# Allegro board REF_038HX-888005K4R-A100.brd (continued)
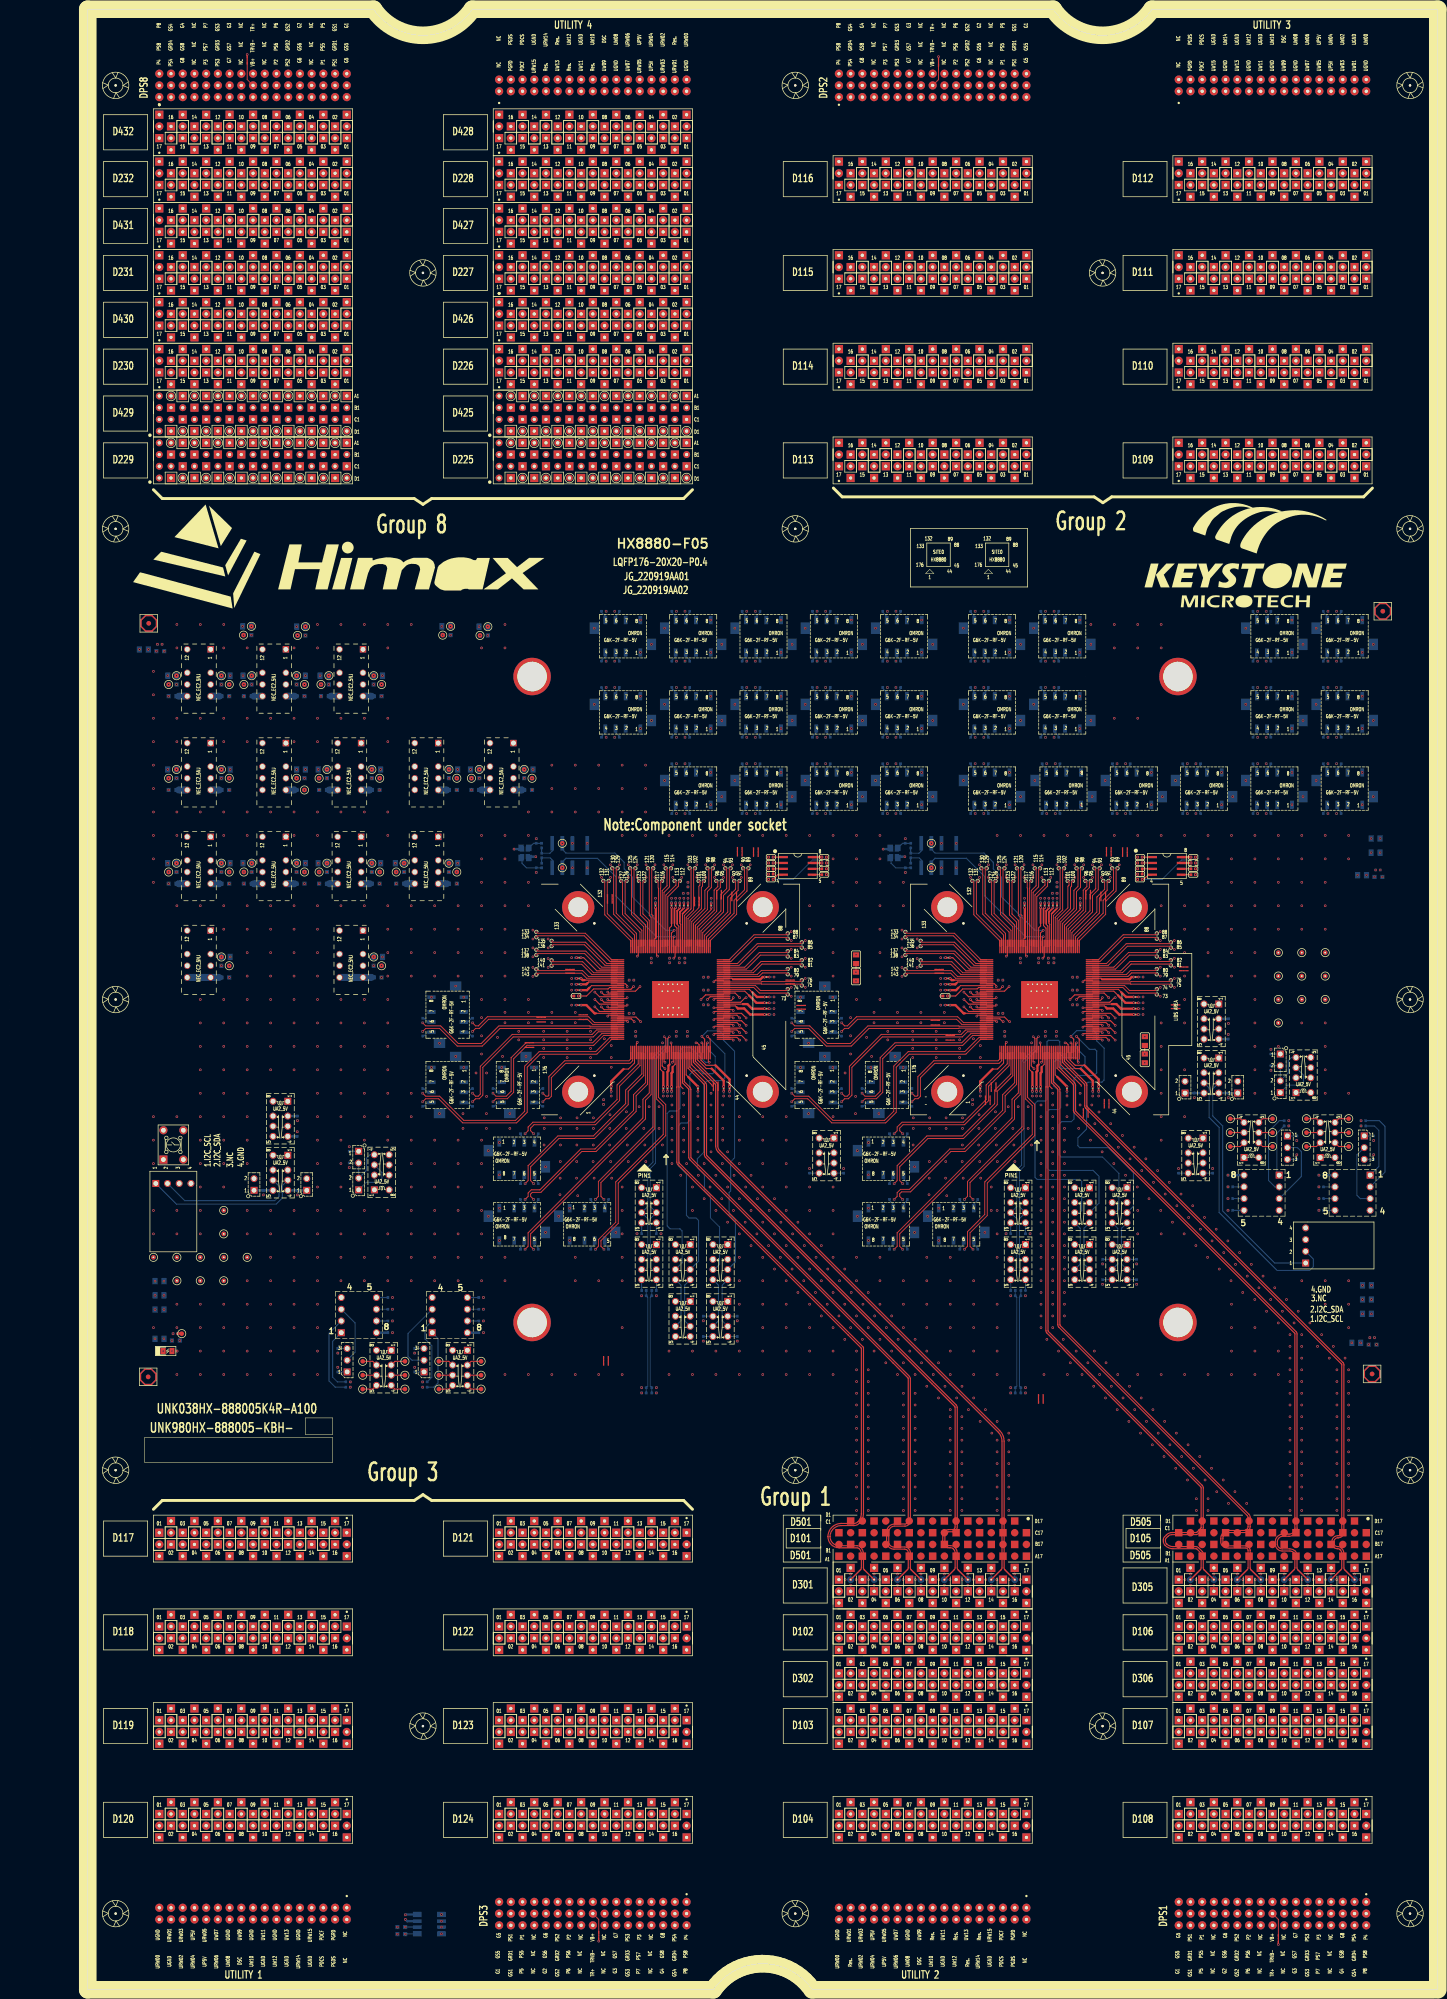
[diagram p0: board, top side]
## Routing (per net, layer and track width the routed paths; a pad name or vN(x,y) marks a point on that pad's centre or on a via; arc(x,y) is an arc through that point) (continued)
  L22_SIGNAL w0.135: 212.78,240.7 212.78,244.26 220.13,251.61 246.09,251.61 246.87,252.4 246.87,259.7 248.84,261.66 248.84,276.78 247.73,277.89 244.57,277.89 243.18,276.5 243.18,254.66 242.05,253.52 239.6,253.52 239.08,254.04 239.08,254.67
  L22_SIGNAL w0.145: v2(238.35,254.94) 238.81,254.94 239.08,254.67 ; v2(212.41,240.33) 212.78,240.7
D11012: length 268.7
  TOP w0.203: v2(180.55,226.21) 180.84,226.5 187.66,226.5 192.13,222.03 SITE2.136
  L03_SIGNAL w0.135: 251.88,348.65 251.88,345.43 249.56,343.1 233.73,343.1 227.22,336.6 227.22,323.39 203.59,299.76 203.59,286.83 193.09,276.33 193.09,271.72
  L03_SIGNAL w0.145: 251.88,348.65 251.19,349.35 250.36,349.35 D110.12 ; 193.09,271.72 192.83,271.45 v2(192.37,271.45)
  L22_SIGNAL w0.135: 193.09,271.18 193.09,270.24 193.96,269.38 196.6,269.38 198.45,271.24 198.45,303.35 199.29,304.19 202.51,304.19 203.46,303.24 203.46,272.9 196.05,265.5 196.05,254.29 189.82,248.05 189.82,246.66 189.29,246.14 187.01,246.14 186.15,245.28 186.15,240.78 185.71,240.35 183.88,240.35 178.27,234.74 178.27,227.4 179.09,226.57 180.18,226.57
  L22_SIGNAL w0.145: 193.09,271.18 192.83,271.45 v2(192.37,271.45) ; 180.18,226.57 v2(180.55,226.21)
D11013: length 268.7
  TOP w0.203: v2(211.63,243.07) 211.33,242.77 211.33,234.05 209.72,232.44 SITE2.102
  L05_SIGNAL w0.135: 244.67,355.04 244.67,356.44 242.6,358.5 233.37,358.5 228.93,354.06 228.93,312.14 244.34,296.72 244.34,267.22 241.44,264.31 239.81,264.31 239.49,264.64 239.49,265.48
  L05_SIGNAL w0.145: D110.13 244.67,355.04 ; v2(240.21,265.75) 239.76,265.75 239.49,265.48
  L20_SIGNAL w0.135: 239.49,265.48 239.49,264.58 239.62,264.44 241.19,264.44 243.95,267.2 243.95,300.26 244.88,301.19 246.98,301.19 247.78,300.39 247.78,267.47 240.83,260.53 229.92,260.53 225.55,256.15 221.21,256.15 211.26,246.2 211.26,245.28 211.39,245.14 211.64,245.14 211.78,245.01 211.78,244.74 211.64,244.6 211.39,244.6 211.26,244.47 211.26,243.43
  L20_SIGNAL w0.145: 239.49,265.48 239.76,265.75 v2(240.21,265.75) ; v2(211.63,243.07) 211.26,243.43
D11014: length 268.7
  TOP w0.203: v2(177.25,225.42) 177.55,225.12 187.95,225.12 191.44,221.63 SITE2.137
  L03_SIGNAL w0.135: 242.18,348.59 242.18,346.74 240.48,345.04 232.92,345.04 225.28,337.4 225.28,324.72 201.49,300.93 201.49,288.83 198.17,285.51 194.96,285.51 193.5,284.05 193.5,282.53
  L03_SIGNAL w0.145: 193.5,282.53 193.77,282.26 v2(194.23,282.26) ; 242.18,348.59 D110.14
  L20_SIGNAL w0.135: 193.5,281.99 193.5,276.07 194.09,275.48 195.87,275.48 196.39,276.01 196.39,291.08 197.72,292.41 200.27,292.41 202.05,290.63 202.05,277.54 197.23,272.72 192.02,272.72 180.48,261.18 180.48,259.86 181.05,259.29 182.12,259.29 192.32,269.49 195.32,269.49 196.29,268.52 196.29,264.92 180.64,249.26 180.64,240.89 173.36,233.61 173.36,228.57 173.49,228.43 173.73,228.43 173.86,228.3 173.86,228.03 173.73,227.89 173.49,227.89 173.36,227.76 173.36,227.49 173.49,227.36 173.73,227.36 173.86,227.22 173.86,226.95 173.73,226.82 173.49,226.82 173.36,226.68 173.36,225.93 174.24,225.05 176.88,225.05
  L20_SIGNAL w0.145: v2(177.25,225.42) 176.88,225.05 ; 193.5,281.99 193.77,282.26 v2(194.23,282.26)
D11015: length 268.7
  TOP w0.203: v2(210.48,243.07) 210.78,242.77 210.78,234.27 209.32,232.81 SITE2.103
  L05_SIGNAL w0.135: 244.26,354.92 244.26,356.27 242.43,358.09 233.54,358.09 229.34,353.89 229.34,312.31 244.75,296.89 244.75,267.05 241.61,263.9 239.64,263.9 239.08,264.47 239.08,265.48
  L05_SIGNAL w0.145: v2(238.35,265.75) 238.81,265.75 239.08,265.48 ; D110.15 242.76,354.25 243.59,354.25 244.26,354.92
  L20_SIGNAL w0.135: 239.08,265.48 239.08,264.41 239.45,264.03 241.36,264.03 244.36,267.03 244.36,300.09 245.05,300.78 246.81,300.78 247.37,300.22 247.37,267.64 240.66,260.94 229.75,260.94 225.38,256.56 221.04,256.56 210.85,246.37 210.85,243.43
  L20_SIGNAL w0.145: v2(210.48,243.07) 210.85,243.43 ; 239.08,265.48 238.81,265.75 v2(238.35,265.75)
D11016: length 268.7
  TOP w0.203: SITE2.138 191.06,221.23 187.72,224.57 177.55,224.57 v2(177.25,224.28)
  L03_SIGNAL w0.135: 193.09,282.53 193.09,284.22 194.79,285.92 198,285.92 201.08,289 201.08,301.1 224.87,324.89 224.87,337.57 232.75,345.45 240.31,345.45 241.77,346.91 241.77,348.53
  L03_SIGNAL w0.145: D110.16 240.2,349.35 240.95,349.35 241.77,348.53 ; v2(192.37,282.26) 192.83,282.26 193.09,282.53
  L20_SIGNAL w0.135: 193.09,281.99 193.09,275.9 193.92,275.07 196.04,275.07 196.8,275.84 196.8,290.91 197.89,292 200.11,292 201.65,290.46 201.65,277.71 197.06,273.13 191.85,273.13 180.07,261.35 180.07,259.69 180.88,258.88 182.29,258.88 192.49,269.08 195.15,269.08 195.88,268.35 195.88,265.09 180.23,249.43 180.23,241.05 172.95,233.78 172.95,225.76 174.07,224.64 176.88,224.64
  L20_SIGNAL w0.145: v2(192.37,282.26) 192.83,282.26 193.09,281.99 ; v2(177.25,224.28) 176.88,224.64
D11101: length 268.7
  TOP w0.203: SITE2.129 198.92,228.97 194.55,233.34 194.55,242.77 v2(194.84,243.07)
  L05_SIGNAL w0.135: 275.62,374.89 275.62,381.23 271.06,385.79 232.01,385.79 225.63,379.4 225.63,370.02 215.92,360.31 215.92,315.27 203.29,302.63 203.29,283.44 206.01,280.73 206.01,265.55 207.17,264.39 208.47,264.39 209.01,264.93 209.01,265.48
  L05_SIGNAL w0.145: D111.01 275.62,374.89 ; 209.01,265.48 209.28,265.75 v2(209.73,265.75)
  L20_SIGNAL w0.135: 209.01,265.48 209.01,264.93 208.18,264.1 206.76,264.1 206.11,264.74 206.11,266.48 207.71,268.08 210.33,268.08 211.68,269.43 211.68,272.09 210.37,273.41 207.32,273.41 205.99,272.08 205.99,269.39 203.97,267.37 203.97,263.96 198.65,258.64 198.65,253.81 194.48,249.64 194.48,245.9 194.61,245.77 194.86,245.77 195,245.64 195,245.37 194.86,245.23 194.61,245.23 194.48,245.1 194.48,243.43
  L20_SIGNAL w0.145: v2(209.73,265.75) 209.28,265.75 209.01,265.48 ; v2(194.84,243.07) 194.48,243.43
D11102: length 268.7
  TOP w0.203: v2(234.78,222.02) 234.48,222.32 226.16,222.32 224.27,220.43 SITE2.81
  L03_SIGNAL w0.135: 272.99,369.24 272.99,367.47 273.76,366.7 282.8,366.7 289.05,360.44 289.05,326 280.24,317.19 280.24,296.83 274.42,291.02 274.42,288.18 269.97,283.72 269.97,282.53
  L03_SIGNAL w0.145: 269.97,282.53 270.24,282.26 v2(270.69,282.26) ; 272.99,369.24 D111.02
  L20_SIGNAL w0.135: 235.15,222.39 236.54,222.39 236.68,222.25 236.68,221.98 236.81,221.84 237.08,221.84 237.22,221.98 237.22,222.25 237.35,222.39 237.62,222.39 237.76,222.25 237.76,221.98 237.89,221.84 238.16,221.84 238.29,221.98 238.29,222.25 238.43,222.39 238.7,222.39 238.83,222.25 238.83,221.98 238.97,221.84 239.24,221.84 239.37,221.98 239.37,222.25 239.51,222.39 279.85,222.39 282.28,224.82 282.28,269.02 281.09,270.21 278.69,270.21 277.51,269.03 277.51,262.73 274.61,259.83 270.1,259.83 267.24,262.68 267.24,274.82 269.97,277.55 269.97,281.99
  L20_SIGNAL w0.145: v2(270.69,282.26) 270.24,282.26 269.97,281.99 ; v2(234.78,222.02) 235.15,222.39
D11103: length 268.7
  TOP w0.203: v2(193.7,243.07) 194,242.77 194,233.12 198.52,228.6 SITE2.130
  L05_SIGNAL w0.135: 275.21,375.08 275.21,381.06 270.89,385.38 232.18,385.38 226.04,379.24 226.04,369.85 216.33,360.14 216.33,315.1 203.7,302.46 203.7,283.61 206.42,280.9 206.42,265.72 207.34,264.8 208.3,264.8 208.6,265.1 208.6,265.48
  L05_SIGNAL w0.145: D111.03 271.57,373.38 271.32,373.62 271.32,374.26 271.74,374.67 274.81,374.67 275.21,375.08 ; 208.6,265.48 208.33,265.75 v2(207.87,265.75)
  L20_SIGNAL w0.135: 194.07,243.43 194.07,249.81 198.24,253.98 198.24,258.81 203.56,264.13 203.56,267.54 205.59,269.56 205.59,272.25 207.15,273.82 210.54,273.82 212.09,272.26 212.09,269.26 210.5,267.67 207.88,267.67 206.52,266.31 206.52,264.91 206.93,264.51 208.01,264.51 208.6,265.1 208.6,265.48
  L20_SIGNAL w0.145: v2(207.87,265.75) 208.33,265.75 208.6,265.48 ; v2(193.7,243.07) 194.07,243.43
D11104: length 268.7
  TOP w0.203: SITE2.82 223.9,220.83 225.93,222.87 234.48,222.87 v2(234.78,223.16)
  L03_SIGNAL w0.135: 272.58,369.25 272.58,367.3 273.59,366.29 282.63,366.29 288.65,360.27 288.65,326.17 279.83,317.36 279.83,297 274.01,291.19 274.01,288.35 269.56,283.89 269.56,282.53
  L03_SIGNAL w0.145: D111.04 269.31,370.84 268.93,370.47 268.93,369.94 269.31,369.56 272.27,369.56 272.58,369.25 ; 269.56,282.53 269.29,282.26 v2(268.83,282.26)
  L20_SIGNAL w0.135: 235.15,222.8 279.68,222.8 281.87,224.99 281.87,268.85 280.92,269.8 278.86,269.8 277.92,268.87 277.92,262.56 274.78,259.42 269.93,259.42 266.84,262.52 266.84,274.99 269.56,277.71 269.56,281.99
  L20_SIGNAL w0.145: v2(268.83,282.26) 269.29,282.26 269.56,281.99 ; v2(234.78,223.16) 235.15,222.8
D11105: length 268.7
  TOP w0.203: SITE2.126 200.12,229.62 196.48,233.26 196.48,240.03 v2(196.77,240.33)
  L05_SIGNAL w0.135: 209.01,254.67 209.01,254.29 209.46,253.84 210.53,253.84 212.59,255.9 212.59,307.21 218.27,312.89 218.27,359.34 227.98,369.05 227.98,378.43 232.99,383.44 261.89,383.44 264.95,380.38 264.95,375.4
  L05_SIGNAL w0.145: D111.05 264.95,375.4 ; 209.01,254.67 209.28,254.94 v2(209.73,254.94)
  L22_SIGNAL w0.135: 209.01,254.67 209.01,254.12 207.98,253.09 206.47,253.09 205.97,253.6 205.97,256.06 208.33,258.42 208.33,262.49 216.47,270.62 216.47,270.9 215.89,271.48 215.36,271.48 211.22,267.34 207.72,267.34 204.23,263.84 204.23,254.02 196.41,246.21 196.41,242.69 196.54,242.56 196.79,242.56 196.92,242.43 196.92,242.16 196.79,242.02 196.54,242.02 196.41,241.89 196.41,240.7
  L22_SIGNAL w0.145: v2(196.77,240.33) 196.41,240.7 ; v2(209.73,254.94) 209.28,254.94 209.01,254.67
D11106: length 268.7
  TOP w0.203: SITE2.83 222.78,221.23 225.8,224.25 231.44,224.25 v2(231.73,223.95)
  L03_SIGNAL w0.135: 269.97,288.23 269.97,292.39 273.36,295.78 273.36,314.87 286.21,327.72 286.21,359.26 281.79,363.67 264.01,363.67 262.83,364.86 262.83,369.24
  L03_SIGNAL w0.145: 262.83,369.24 D111.06 ; 269.97,288.23 270.24,287.96 v2(270.69,287.96)
  L22_SIGNAL w0.135: 232.1,224.32 236.11,224.32 238.25,226.45 238.44,226.45 238.77,226.12 238.96,226.12 239.15,226.31 239.15,226.5 238.82,226.83 238.82,227.02 239.01,227.21 239.2,227.21 239.53,226.88 239.72,226.88 239.91,227.07 239.91,227.26 239.58,227.59 239.58,227.78 244.24,232.44 258.23,232.44 259.1,231.56 259.1,214.05 260.05,213.1 269.44,213.1 270.69,214.35 270.69,240.7 264.63,246.76 264.63,272 267.44,274.81 267.44,283.57 269.97,286.09 269.97,287.69
  L22_SIGNAL w0.145: v2(231.73,223.95) 232.1,224.32 ; v2(270.69,287.96) 270.24,287.96 269.97,287.69
D11107: length 268.7
  TOP w0.203: SITE2.127 199.72,229.25 195.93,233.04 195.93,240.03 v2(195.63,240.33)
  L05_SIGNAL w0.135: 264.54,375.36 264.54,380.21 261.72,383.03 233.16,383.03 228.39,378.26 228.39,368.88 218.68,359.17 218.68,312.72 212.99,307.04 212.99,255.73 210.7,253.43 209.29,253.43 208.6,254.12 208.6,254.67
  L05_SIGNAL w0.145: D111.07 263.11,374.6 263.79,374.6 264.54,375.36 ; 208.6,254.67 208.33,254.94 v2(207.87,254.94)
  L22_SIGNAL w0.135: 196,240.7 196,246.38 203.82,254.19 203.82,264.01 207.55,267.75 211.05,267.75 215.19,271.89 216.06,271.89 216.88,271.07 216.88,270.45 208.74,262.32 208.74,258.25 206.37,255.89 206.37,253.77 206.64,253.5 207.81,253.5 208.6,254.29 208.6,254.67
  L22_SIGNAL w0.145: v2(195.63,240.33) 196,240.7 ; v2(207.87,254.94) 208.33,254.94 208.6,254.67
D11108: length 268.7
  TOP w0.203: v2(231.73,225.09) 231.44,224.79 225.57,224.79 222.41,221.63 SITE2.84
  L03_SIGNAL w0.135: 269.56,288.23 269.56,292.56 272.95,295.95 272.95,315.04 285.8,327.89 285.8,359.09 281.63,363.27 263.84,363.27 262.42,364.69 262.42,369.25
  L03_SIGNAL w0.145: 262.42,369.25 262.19,369.49 259.22,369.49 258.77,369.93 258.77,370.47 259.15,370.84 D111.08 ; 269.56,288.23 269.29,287.96 v2(268.83,287.96)
  L22_SIGNAL w0.135: 269.56,287.69 269.56,286.26 267.03,283.73 267.03,274.98 264.34,272.29 264.22,272.17 264.22,246.59 265.04,245.76 270.28,240.53 270.28,214.52 269.27,213.51 260.22,213.51 259.51,214.22 259.51,231.73 258.4,232.85 244.07,232.85 235.94,224.72 232.1,224.72
  L22_SIGNAL w0.145: 269.56,287.69 269.29,287.96 v2(268.83,287.96) ; v2(231.73,225.09) 232.1,224.72
D11109: length 268.7
  TOP w0.203: v2(208.35,240.33) 208.05,240.03 208.05,239.22 205.72,236.89 SITE2.112
  L05_SIGNAL w0.135: 255.32,374.87 255.32,378.07 252.48,380.91 234.04,380.91 230.51,377.38 230.51,368 220.81,358.29 220.81,306.48 219.57,305.24 219.57,255.22 221.34,253.45 223.59,253.45 224.25,254.1 224.25,254.67
  L05_SIGNAL w0.145: v2(224.97,254.94) 224.52,254.94 224.25,254.67 ; D111.09 255.32,374.87
  L22_SIGNAL w0.135: 207.98,240.7 207.98,242.17 208.12,242.3 208.36,242.3 208.5,242.44 208.5,242.71 208.36,242.84 208.12,242.84 207.98,242.97 207.98,243.74 217.8,253.56 217.8,256.58 221.19,259.98 231.97,259.98 233.39,261.39 233.39,266.19 234.07,266.88 236.17,266.88 236.74,266.31 236.74,264.12 240.21,260.65 240.21,257.71 239.79,257.29 233.54,257.29 232.06,255.8 227.2,255.8 225.99,257.02 221.24,257.02 220.61,256.38 220.61,253.86 221.23,253.24 223.51,253.24 224.25,253.98 224.25,254.67
  L22_SIGNAL w0.145: v2(208.35,240.33) 207.98,240.7 ; 224.25,254.67 224.52,254.94 v2(224.97,254.94)
D11110: length 268.7
  TOP w0.203: SITE2.85 221.2,222.03 225.35,226.18 234.48,226.18 v2(234.78,225.88)
  L03_SIGNAL w0.135: 252.67,369.24 252.67,361.76 253.88,360.55 280.08,360.55 282.78,357.84 282.78,328.21 269.97,315.4 269.97,299.04
  L03_SIGNAL w0.145: 269.97,299.04 270.24,298.77 v2(270.69,298.77) ; 252.67,369.24 D111.10
  L20_SIGNAL w0.135: 235.15,226.25 238.23,226.25 238.37,226.11 238.37,225.83 238.5,225.7 238.77,225.7 238.9,225.83 238.9,226.11 239.04,226.25 239.31,226.25 239.44,226.11 239.44,225.83 239.58,225.7 239.85,225.7 239.98,225.83 239.98,226.11 240.12,226.25 240.39,226.25 240.52,226.11 240.52,225.83 240.65,225.7 240.92,225.7 241.06,225.83 241.06,226.11 241.19,226.25 276.88,226.25 278.72,228.09 278.72,235.76 273.86,240.62 273.86,243.07 274.83,244.04 274.83,254.54 272.51,256.86 267.79,256.86 264.47,260.18 264.47,283.34 265.48,284.35 275.27,284.35 277.81,286.89 277.81,290.94 274.96,293.8 273.14,293.8 269.97,296.97 269.97,298.5
  L20_SIGNAL w0.145: 269.97,298.5 270.24,298.77 v2(270.69,298.77) ; v2(234.78,225.88) 235.15,226.25
D11111: length 268.7
  TOP w0.203: v2(207.21,240.33) 207.5,240.03 207.5,239.45 205.32,237.26 SITE2.113
  L05_SIGNAL w0.135: 223.84,254.67 223.84,254.27 223.42,253.86 221.51,253.86 219.98,255.39 219.98,305.07 221.22,306.31 221.22,358.12 230.92,367.83 230.92,377.21 234.21,380.5 252.31,380.5 254.91,377.9 254.91,374.93
  L05_SIGNAL w0.145: v2(223.11,254.94) 223.57,254.94 223.84,254.67 ; 254.91,374.93 254.58,374.6 251.34,374.6 251.01,374.27 251.01,373.59 251.22,373.38 D111.11
  L22_SIGNAL w0.135: 223.84,254.67 223.84,254.15 223.34,253.65 221.4,253.65 221.01,254.03 221.01,256.21 221.41,256.61 225.82,256.61 227.03,255.39 232.23,255.39 233.71,256.88 239.96,256.88 240.62,257.55 240.62,260.82 237.15,264.29 237.15,266.48 236.34,267.29 233.9,267.29 232.98,266.36 232.98,261.56 231.8,260.38 221.02,260.38 217.39,256.75 217.39,253.73 207.57,243.91 207.57,240.7
  L22_SIGNAL w0.145: v2(223.11,254.94) 223.57,254.94 223.84,254.67 ; v2(207.21,240.33) 207.57,240.7
D11112: length 268.7
  TOP w0.203: v2(234.78,227.02) 234.48,226.72 225.12,226.72 220.82,222.43 SITE2.86
  L03_SIGNAL w0.135: 252.26,369.25 252.26,361.59 253.71,360.14 279.91,360.14 282.37,357.67 282.37,328.38 269.56,315.57 269.56,299.04
  L03_SIGNAL w0.145: 252.26,369.25 252.03,369.49 249.02,369.49 248.63,369.88 248.63,370.47 249,370.84 D111.12 ; v2(268.83,298.77) 269.29,298.77 269.56,299.04
  L20_SIGNAL w0.135: 269.56,298.5 269.56,296.8 272.97,293.39 274.79,293.39 277.41,290.78 277.41,287.06 275.1,284.76 265.31,284.76 264.06,283.51 264.06,260.01 267.62,256.46 272.34,256.46 274.42,254.37 274.42,244.21 273.45,243.24 273.45,240.45 278.31,235.59 278.31,228.26 276.71,226.65 235.15,226.65
  L20_SIGNAL w0.145: v2(234.78,227.02) 235.15,226.65 ; 269.56,298.5 269.29,298.77 v2(268.83,298.77)
D11113: length 268.7
  TOP w0.203: SITE2.114 204.92,237.85 206.12,239.06 206.12,242.77 v2(206.42,243.07)
  L05_SIGNAL w0.135: 224.25,265.48 224.25,264.68 224.77,264.16 225.76,264.16 226.07,264.47 226.07,270.34 224.75,271.66 224.75,296.91 223.43,298.23 223.43,357.2 233.14,366.91 233.14,376.29 235.13,378.28 243,378.28 244.69,376.59 244.69,375.34
  L05_SIGNAL w0.145: 224.25,265.48 224.52,265.75 v2(224.97,265.75) ; D111.13 244.69,375.34
  L20_SIGNAL w0.135: 206.05,243.43 206.05,244.35 206.19,244.48 206.43,244.48 206.57,244.62 206.57,244.89 206.43,245.02 206.19,245.02 206.05,245.16 206.05,245.88 213.82,253.65 213.82,258.29 215.45,259.92 225.03,259.92 232.71,267.6 240.08,267.6 240.9,268.42 240.9,269.94 240.11,270.73 229.1,270.73 228.64,271.19 228.64,272.61 229.16,273.13 240.69,273.13 241.5,273.95 241.5,275.79 240.66,276.63 227.02,276.63 226.18,275.8 226.18,264.36 225.82,263.99 224.45,263.99 224.25,264.19 224.25,265.48
  L20_SIGNAL w0.145: 224.25,265.48 224.52,265.75 v2(224.97,265.75) ; v2(206.42,243.07) 206.05,243.43
D11114: length 268.7
  TOP w0.203: v2(223.2,243.07) 222.91,242.77 222.91,238.16 220.65,235.9 220.65,233.11 214.92,227.38 SITE2.89
  L03_SIGNAL w0.135: 254.73,299.04 254.73,304.5 279.45,329.22 279.45,356.46 278.34,357.57 246,357.57 242.13,361.44 242.13,368.86
  L03_SIGNAL w0.145: v2(255.45,298.77) 255,298.77 254.73,299.04 ; 242.13,368.86 D111.14
  L20_SIGNAL w0.135: 254.73,298.5 254.73,295.5 259.12,291.11 259.12,256.1 263.33,251.88 268.5,251.88 269.47,250.91 269.47,234.31 268.24,233.08 243.12,233.08 229.45,246.74 225.02,246.74 224.06,245.79 224.06,245.6 224.23,245.42 224.23,245.23 224.04,245.04 223.85,245.04 223.68,245.22 223.49,245.22 222.84,244.57 222.84,243.43
  L20_SIGNAL w0.145: v2(223.2,243.07) 222.84,243.43 ; v2(255.45,298.77) 255,298.77 254.73,298.5
D11115: length 268.7
  TOP w0.203: SITE2.115 204.52,238.23 205.57,239.29 205.57,242.77 v2(205.28,243.07)
  L05_SIGNAL w0.135: 244.28,375.3 244.28,376.42 242.83,377.87 235.29,377.87 233.55,376.12 233.55,366.74 223.84,357.03 223.84,298.4 225.16,297.08 225.16,271.83 226.48,270.51 226.48,264.3 225.93,263.75 224.6,263.75 223.84,264.51 223.84,265.48
  L05_SIGNAL w0.145: 244.28,375.3 243.6,374.61 242.8,374.61 D111.15 ; v2(223.11,265.75) 223.57,265.75 223.84,265.48
  L20_SIGNAL w0.135: 223.84,265.48 223.84,264.02 224.28,263.58 225.99,263.58 226.59,264.19 226.59,275.63 227.19,276.23 240.49,276.23 241.1,275.62 241.1,274.11 240.52,273.54 228.99,273.54 228.23,272.78 228.23,271.02 228.93,270.32 239.94,270.32 240.49,269.77 240.49,268.59 239.91,268.01 232.54,268.01 224.86,260.33 215.28,260.33 213.42,258.46 213.42,253.82 205.64,246.05 205.64,243.43
  L20_SIGNAL w0.145: v2(205.28,243.07) 205.64,243.43 ; 223.84,265.48 223.57,265.75 v2(223.11,265.75)
D11116: length 268.7
  TOP w0.203: SITE2.90 214.52,227.76 220.1,233.34 220.1,236.13 222.36,238.39 222.36,242.77 v2(222.06,243.07)
  L03_SIGNAL w0.135: 241.72,368.97 241.72,361.27 245.83,357.16 278.17,357.16 279.04,356.3 279.04,329.39 254.32,304.67 254.32,299.04
  L03_SIGNAL w0.145: v2(253.59,298.77) 254.05,298.77 254.32,299.04 ; 241.72,368.97 241.21,369.49 240.38,369.49 D111.16
  L20_SIGNAL w0.135: 222.43,243.43 222.43,244.73 224.85,247.15 229.62,247.15 243.29,233.49 268.07,233.49 269.06,234.48 269.06,250.74 268.33,251.48 263.16,251.48 258.71,255.93 258.71,290.94 254.32,295.33 254.32,298.5
  L20_SIGNAL w0.145: 254.32,298.5 254.05,298.77 v2(253.59,298.77) ; v2(222.06,243.07) 222.43,243.43
D11201: length 231.3
  L07_SIGNAL w0.17: D112.01 270.27,400.56 234.71,400.56 228.62,394.46 228.62,306.07 220.23,297.69 220.23,275.14 213.06,267.97 190.2,267.97 185.06,262.83 v1(185.06,248.48)
D11202: length 189.1
  TOP w0.231: UNK2UT1.2 v1(228.57,244.22)
  L07_SIGNAL w0.17: D112.02 267.22,383.79 237.18,383.79 233.95,380.56 233.95,303.86 226.33,296.24 226.33,274.38 229.38,271.33 229.38,256.86 230.22,256.01 230.22,245.87 v1(228.57,244.22)
D11203: length 230.3
  L07_SIGNAL w0.17: D112.03 265.95,399.8 235.03,399.8 229.38,394.15 229.38,305.75 221,297.37 221,274.83 213.38,267.21 190.52,267.21 186.05,262.74 186.05,244.17 v1(185.06,243.18)
D11204: length 183.4
  TOP w0.231: UNK2UT1.1 v1(228.57,245.49)
  L07_SIGNAL w0.17: v1(228.57,245.49) 229.47,246.39 229.47,255.68 228.62,256.54 228.62,271.02 225.57,274.07 225.57,296.56 233.19,304.18 233.19,380.88 236.87,384.56 262.91,384.56 D112.04
D11205: length 221.5
  L07_SIGNAL w0.17: D112.05 261.64,399.03 235.34,399.03 230.14,393.83 230.14,305.44 221.76,297.06 221.76,273.3 213.38,264.92 213.38,247.4 213.01,247.03 213.01,243.03 210.95,240.97 210.95,228.73 208.82,226.59 208.82,223.18 v1(208.23,222.59)
D11206: length 209.3
  TOP w0.231: v1(215.72,218.46) 216.09,218.83 SITE2.77
  L07_SIGNAL w0.17: v1(215.72,218.46) 215.72,225.82 219.99,230.09 219.99,236.74 224.57,241.32 224.57,252.5 226.33,254.25 226.33,271.78 224.81,273.3 224.81,296.87 232.43,304.49 232.43,381.19 236.55,385.32 258.59,385.32 D112.06
D11207: length 214.7
  L07_SIGNAL w0.17: D112.07 257.32,398.27 235.66,398.27 230.9,393.51 230.9,305.12 223.28,297.5 223.28,273.3 216.74,266.76 216.74,243.11 214.91,241.28 214.91,238.73 213.68,237.5 213.68,228.83 210.07,225.22 210.07,223.23 v1(209.43,222.59)
D11208: length 201.3
  L07_SIGNAL w0.17: D112.08 254.27,386.08 236.24,386.08 231.66,381.51 231.66,304.81 224.04,297.19 224.04,272.54 221.76,270.26 221.76,260.04 220.69,258.98 220.69,243.09 218.8,241.19 218.8,231.32 213.48,226 v1(213.48,219.47)
D11209: length 268.7
  TOP w0.203: v2(177.25,221.18) 177.55,220.88 187.27,220.88 188.52,219.63 SITE2.142
  L05_SIGNAL w0.135: 255.54,394.96 255.54,396.84 251.02,401.37 233.1,401.37 211.34,379.6 211.34,320.37 190.8,299.83 190.8,265.45 191.83,264.42 192.99,264.42 193.5,264.93 193.5,265.48
  L05_SIGNAL w0.145: D112.09 255.54,394.96 ; 193.5,265.48 193.77,265.75 v2(194.23,265.75)
  L20_SIGNAL w0.135: 176.88,220.81 175.88,220.81 175.75,220.95 175.75,221.18 175.61,221.32 175.35,221.32 175.21,221.18 175.21,220.95 175.08,220.81 174.81,220.81 174.67,220.95 174.67,221.18 174.54,221.32 174.27,221.32 174.13,221.18 174.13,220.95 174,220.81 173.5,220.81 170.47,223.85 170.47,246.59 178.82,254.94 181.66,254.94 190.34,263.63 192.2,263.63 193.5,264.93 193.5,265.48
  L20_SIGNAL w0.145: v2(194.23,265.75) 193.77,265.75 193.5,265.48 ; v2(177.25,221.18) 176.88,220.81
D11210: length 268.7
  TOP w0.203: SITE2.131 198.12,227.73 192.62,233.23 192.62,240.03 v2(192.91,240.33)
  L03_SIGNAL w0.135: 252.25,389.14 252.25,386.83 244.37,378.95 236.17,378.95 233.92,376.7 233.92,350.89 223.1,340.07 223.1,326.77 197.32,300.99 197.32,295.45 193.5,291.64 193.5,288.23
  L03_SIGNAL w0.145: 252.25,389.14 D112.10 ; v2(194.23,287.96) 193.77,287.96 193.5,288.23
  L22_SIGNAL w0.135: 192.55,240.7 192.55,241.82 192.68,241.95 192.93,241.95 193.06,242.09 193.06,242.36 192.93,242.49 192.68,242.49 192.55,242.62 192.55,247.07 201.47,256 201.47,266.75 206.23,271.5 206.23,311.14 204.16,313.21 197.43,313.21 195.88,311.66 195.88,287.06 195.25,286.44 193.77,286.44 193.5,286.71 193.5,287.69
  L22_SIGNAL w0.145: 193.5,287.69 193.77,287.96 v2(194.23,287.96) ; v2(192.91,240.33) 192.55,240.7
D11211: length 268.7
  TOP w0.203: SITE2.143 188.15,219.23 187.04,220.33 177.55,220.33 v2(177.25,220.04)
  L05_SIGNAL w0.135: 193.09,265.48 193.09,265.1 192.83,264.83 192,264.83 191.21,265.62 191.21,299.66 211.75,320.2 211.75,379.43 233.27,400.96 250.85,400.96 255.14,396.67 255.14,395.15
  L05_SIGNAL w0.145: v2(192.37,265.75) 192.83,265.75 193.09,265.48 ; D112.11 251.35,393.7 251.17,393.89 251.17,394.44 251.6,394.87 254.86,394.87 255.14,395.15
  L20_SIGNAL w0.135: 176.88,220.4 173.33,220.4 170.06,223.68 170.06,246.76 178.65,255.35 181.49,255.35 190.17,264.04 192.03,264.04 193.09,265.1 193.09,265.48
  L20_SIGNAL w0.145: 193.09,265.48 192.83,265.75 v2(192.37,265.75) ; v2(177.25,220.04) 176.88,220.4
D11212: length 268.7
  TOP w0.203: SITE2.132 197.72,227.35 192.07,233 192.07,240.03 v2(191.77,240.33)
  L03_SIGNAL w0.135: 251.84,389.19 251.84,386.99 244.2,379.36 236,379.36 233.51,376.87 233.51,351.06 222.69,340.24 222.69,326.94 196.91,301.15 196.91,295.62 193.09,291.81 193.09,288.23
  L03_SIGNAL w0.145: 193.09,288.23 192.83,287.96 v2(192.37,287.96) ; 251.84,389.19 251.05,389.98 250.37,389.98 D112.12
  L22_SIGNAL w0.135: 192.14,240.7 192.14,247.24 201.06,256.17 201.06,266.92 205.82,271.67 205.82,310.97 203.99,312.8 197.6,312.8 196.29,311.49 196.29,286.89 195.42,286.03 193.6,286.03 193.09,286.54 193.09,287.69
  L22_SIGNAL w0.145: v2(191.77,240.33) 192.14,240.7 ; 193.09,287.69 192.83,287.96 v2(192.37,287.96)
D11213: length 268.7
  TOP w0.203: v2(180.55,223.11) 180.84,222.81 187.29,222.81 189.67,220.43 SITE2.140
  L05_SIGNAL w0.135: 193.5,254.67 193.5,253.99 193.77,253.72 194.98,253.72 197.18,255.92 197.18,301.9 213.74,318.46 213.74,378.61 234.29,399.16 242.86,399.16 244.71,397.31 244.71,395.64
  L05_SIGNAL w0.145: D112.13 244.71,395.64 ; 193.5,254.67 193.77,254.94 v2(194.23,254.94)
  L22_SIGNAL w0.135: 193.5,254.67 193.5,254.12 192.15,252.76 184.56,252.76 181.73,249.94 181.73,240.98 175.11,234.35 175.11,227.45 175.24,227.31 175.48,227.31 175.61,227.18 175.61,226.91 175.48,226.78 175.24,226.78 175.11,226.64 175.11,226.37 175.24,226.24 175.48,226.24 175.61,226.1 175.61,225.83 175.48,225.7 175.24,225.7 175.11,225.56 175.11,214.06 175.91,213.26 180.3,213.26 180.87,213.83 180.87,217.77 178.58,220.06 178.58,222.2 179.13,222.74 180.18,222.74
  L22_SIGNAL w0.145: v2(194.23,254.94) 193.77,254.94 193.5,254.67 ; v2(180.55,223.11) 180.18,222.74
